# Allegro board controller.brd
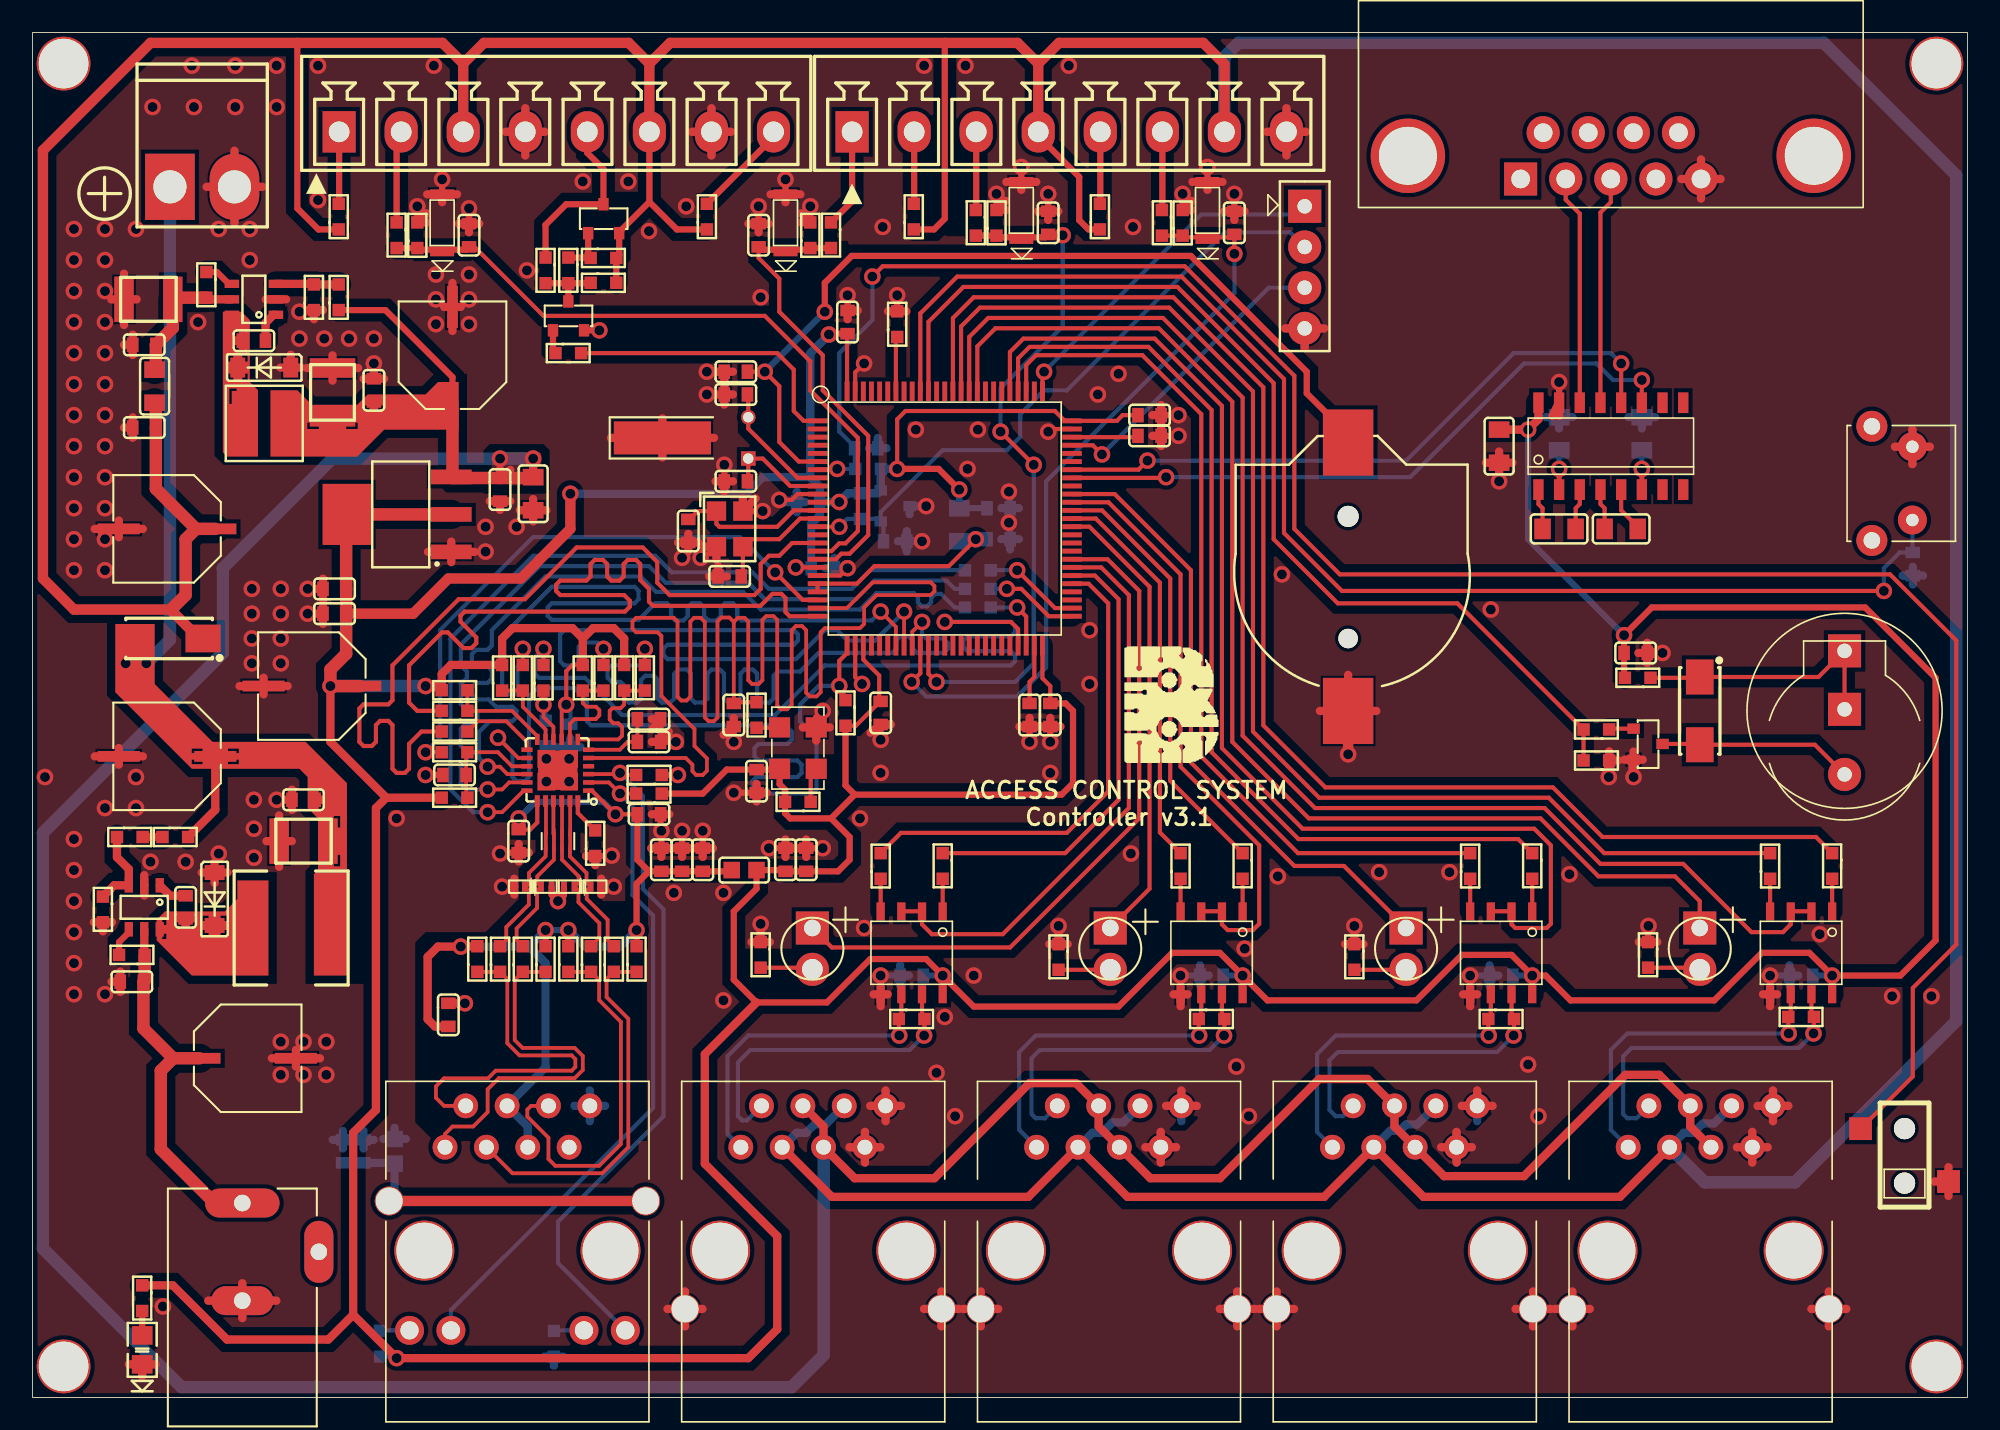
[diagram p0: board, top side]
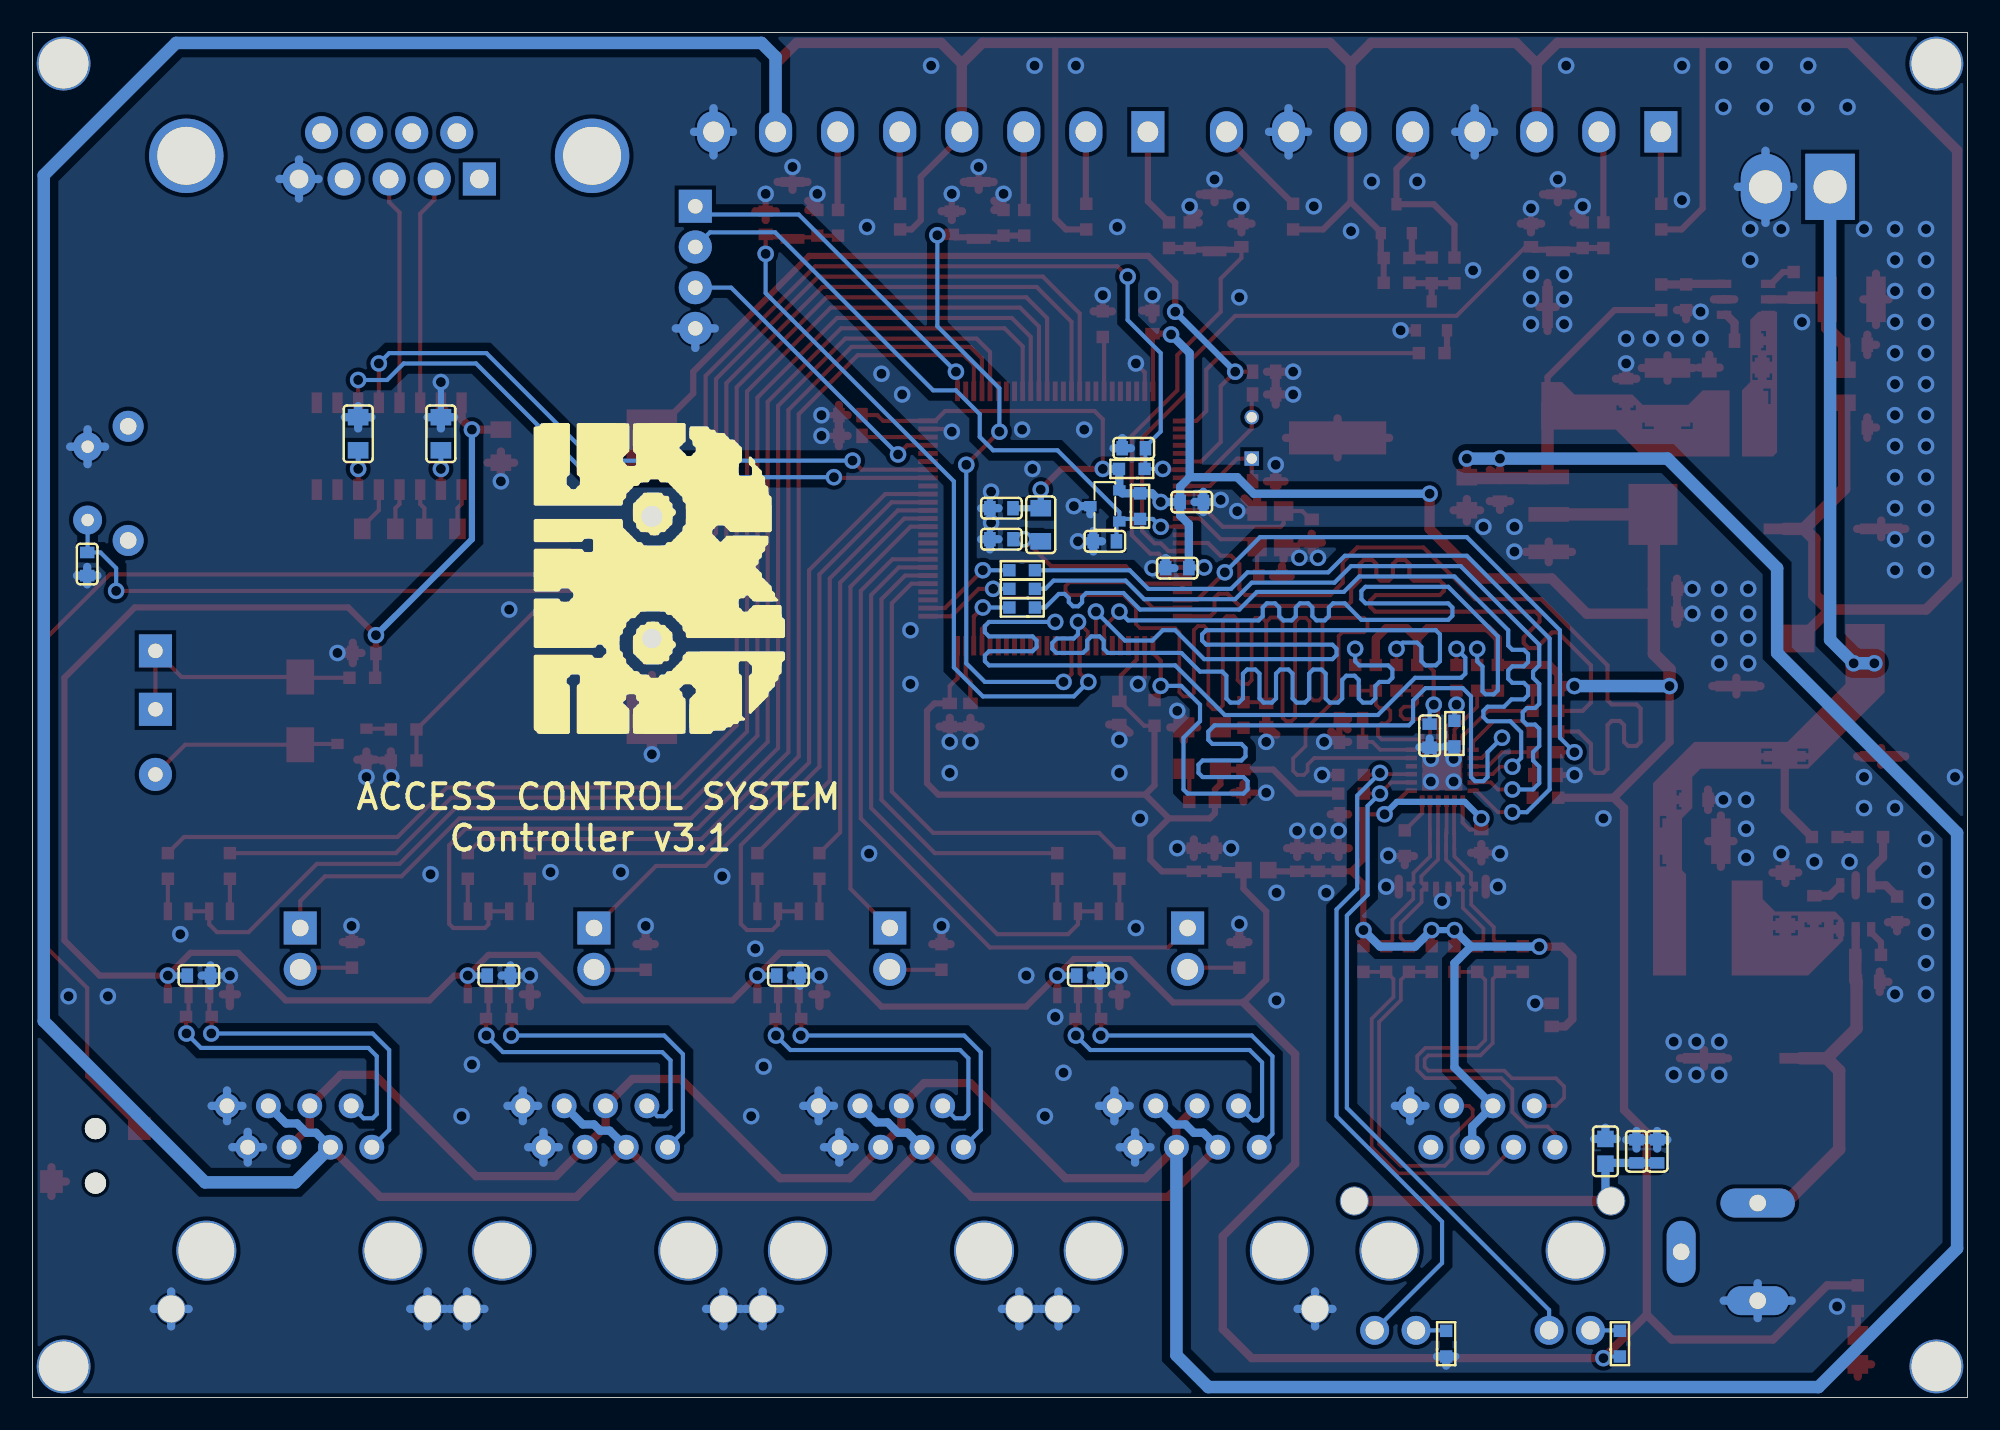
[diagram p1: board, bottom side, seen from below]

Outline 118.8 x 83.82 mm; copper layers: TOP, BOTTOM. Coordinates in mm from the lower left corner of the outline.
Outline path: 0,83.82 0,0 118.8,0 118.8,83.82 0,83.82

## Design rules (mm)
net group RMII_CLK: nets N1936921 RMII_CLK
net group RMII_CRS_DVALID: nets E_RMII_CRS_DVALID RMII_CRS_DVALID
net group RMII_MD: nets E_RMII_MD RMII_MD
net group RMII_MDCLK: nets E_RMII_MDCLK RMII_MDCLK
net group RMII_RX_ERR: nets E_RMII_RX_ERR RMII_RX_ERR
net group RMII_RXD0: nets ERMII_RXD0 RMII_RXD0
net group RMII_RXD1: nets ERMII_RXD1 RMII_RXD1
net group RMII_TXD0: nets ERMII_TXD0 RMII_TXD0
net group RMII_TXD1: nets ERMII_TXD1 RMII_TXD1
net group RMII_TXEN: nets ERMII_TXEN RMII_TXEN
net group W_RXN: nets W_RXN W_RXN_TRANS
net group W_RXP: nets W_RXP W_RXP_TRANS
net group W_TXN: nets W_TXN W_TXN_TRANS
net group W_TXP: nets W_TXP W_TXP_TRANS

## Placement (name value [footprint] x y rotation side)
BT1  BAT_3V  [BAT_CR1220]  80.77 50.29 0 top
C1  100nF  [C0603]  43.18 62.99 270 top
C2  100nF  [C0603]  47.62 54.99 90 bottom
C3  100nF  [C0603]  48.51 50.93 270 bottom
C4  100nF  [C0603]  52.07 42.04 0 top
C5  100nF  [C0603]  62.48 41.91 0 top
C6  100nF  [C0603]  68.58 60.33 90 top
C7  100nF  [C0603]  50.04 66.04 180 top
C8  100nF  [C0603]  59.31 54.61 270 bottom
C9  100nF  [C0603]  59.31 52.7 270 bottom
C10  2.2uF  [C0603]  68.58 59.05 90 top
C11  2.2uF  [C0603]  61.21 41.91 0 top
C12  100nF  [C0603]  52.96 52.58 270 bottom
C13  18pF  [C0603]  42.8 50.42 270 top
C14  18pF  [C0603]  40.26 53.21 0 top
C15  15pF  [C0603]  43.18 56.26 270 top
C16  15pF  [C0603]  43.18 61.59 270 top
C17  100pF  [C0603]  37.85 41.66 90 top
C18  1uF/16v  [C0603]  37.85 40.26 90 top
C19  10nF  [C0603]  37.85 35.81 270 top
C20  100nF  [C0603]  38.61 33.02 180 top
C21  100nF  [C0603]  39.88 33.02 180 top
C22  100nF  [C0603]  46.23 33.02 0 top
C23  4.7uF  [C0603]  47.5 33.02 0 top
C24  4.7uF  [C0603]  41.15 33.02 180 top
C25  22nF  [C0603]  25.53 23.5 180 top
C29  100nF  [C0603]  25.91 38.23 90 top
C30  100nF  [C0603]  20.95 61.85 180 top
C31  100nF  [C0603]  6.86 59.56 270 top
C32  100nF  [C0603]  6.86 64.64 270 top
C33  100uF/35V  [CAP_AL_D]  8.26 53.34 180 top
C34  100nF/25V  [C0805]  93.73 59.18 90 bottom
C35  100nF/25V  [C0805]  98.81 59.18 90 bottom
C37  10nF  [C0603]  13.59 64.9 270 top
C38  22u/6.3V  [CAP_1210]  18.41 61.72 90 top
C40  220u/16V  [CAP_AL_D]  25.78 64.01 90 top
C41  10uF  [C0805]  30.73 55.5 270 top
C43  1uF  [C0603]  18.54 49.66 270 top
C52  100nF  [C0603]  44.45 37.85 0 top
C53  10nF  [C0603]  33.02 40.64 0 bottom
C54  100nF  [C0603]  18.54 48.13 90 top
C55  220uF/10v  [CAP_AL_D]  17.14 43.69 180 top
C85  100nF  [C0603]  20.32 15.11 0 bottom
C86  100nF  [C0603]  19.05 15.11 0 bottom
C129  100nF  [C0603]  51.18 58.29 270 bottom
C130  10nF  [C0603]  115.44 51.18 180 bottom
C131  10nF  [C0603]  29.84 34.16 180 top
C132  100nF  [C0603]  28.7 55.75 180 top
C133  100pF  [C0603]  43.05 41.91 0 top
C139  100nF  [C0603]  26.8 71.37 180 top
C140  100nF  [C0603]  53.98 25.91 90 bottom
C142  10u/35V  [CAP_1210]  7.11 67.44 180 top
C144  100nF  [C0603]  98.42 45.72 90 top
C145  100nF  [C0603]  72.39 25.91 90 bottom
C146  100nF  [C0603]  90.17 25.91 90 bottom
C147  100nF  [C0603]  108.58 25.91 90 bottom
C148  100nF/25V  [C0805]  93.73 53.34 180 top
C149  100nF/25V  [C0805]  97.54 53.34 0 top
C150  100nF/25V  [C0805]  90.04 58.42 270 top
C151  100nF  [C0603]  44.58 71.37 180 top
C152  100nF  [C0603]  62.36 72.14 180 top
C153  100nF  [C0603]  73.79 72.14 180 top
C154  100nF/25V  [C0603]  6.1 25.53 270 top
C155  10uF/25V  [CAP_AL_D]  13.21 20.83 0 top
C156  10nF/25V  [C0603]  9.4 30.1 0 top
C157  100nF/25V  [C0603]  16.64 36.7 270 top
C158  100uF/25V  [CAP_AL_D]  8.26 39.37 180 top
C159  22u/6.3V  [CAP_1210]  16.64 34.16 180 top
D3  1N5819  [SOD123]  14.22 63.25 0 top
D4  SS34  [DO214AC_SMA]  102.36 42.16 270 top
D7  1N4007  [DO214AC_SMA]  8.38 46.61 180 top
D8  1N5819  [SOD123]  11.18 30.61 90 top
D11  3V3  [SOD80]  25.15 72.14 90 top
D18  LED  [LED0805]  6.73 2.92 270 top
D41  1SS413CT  [SOD882]  34.98 31.37 0 top
D42  1SS413CT  [SOD882]  32.56 31.37 180 top
D43  1SS413CT  [SOD882]  31.93 31.37 0 top
D44  1SS413CT  [SOD882]  29.51 31.37 180 top
D45  3V3  [SOD80]  46.23 72.14 90 top
D46  3V3  [SOD80]  60.71 72.9 90 top
D47  3V3  [SOD80]  72.14 72.9 90 top
D48  LED  [LED_3MM]  47.88 27.56 270 top
D49  LED  [LED_3MM]  66.17 27.56 270 top
D50  LED  [LED_3MM]  84.33 27.56 270 top
D51  LED  [LED_3MM]  102.36 27.56 270 top
DCIN1  PJ-002A  [CONN_JACK_DC]  12.88 11.94 270 top
ED26  uClamp3312T  [8-XFDFN]  32.26 34.16 0 top
J1  RJ45  [HR911105A]  29.77 16.64 270 top
J5  HEADER 2  [HEADER2-PITCH3P96-B2P_VH]  10.41 74.35 0 top
J7  JTAG  [HEADER-4]  78.11 73.15 270 top
J9  HEADER 8  [HEADER8PITCH3P81MM]  18.82 77.72 0 top
J11  RJ45  [HR911105B]  47.93 16.64 270 top
J12  RJ45  [HR911105B]  66.09 16.64 270 top
J13  RJ45  [HR911105B]  84.25 16.64 270 top
J14  RJ45  [HR911105B]  102.41 16.64 270 top
J15  DB9PORT  [DB9_FE]  96.9 76.25 0 top
J16  HEADER 8  [HEADER8PITCH3P81MM]  50.32 77.72 0 top
L1  BLM18PG181SN1  [L0603]  43.69 32.38 180 top
L2  8.8uH/1.7A  [IND_6X6MM]  15.88 28.83 0 top
L9  Choke wide  [C0805]  7.49 62.1 90 top
L10  8.8uH/1.7A  [IN4D_5X5]  14.22 59.82 270 top
L11  Choke wide  [C0805]  56.9 53.59 270 bottom
L16  BLM18PG181SN1  [L0603]  22.23 15.11 270 bottom
LS1  SPEAKER  [BUZZER_DIP3]  111.25 40.26 0 top
NOREF  -  [unnamed]  116.89 81.92 0 top
NOREF#2  -  [unnamed]  1.91 1.91 0 top
NOREF#3  -  [unnamed]  1.91 81.92 0 top
NOREF#4  -  [#2]  66.04 38.73 0 top
NOREF#5  -  [unnamed]  116.89 1.91 0 top
NOREF#6  -  [#2]  90.68 40.13 180 bottom
Q1  C1815  [SOT-23-3]  99.19 40.13 0 top
Q6  C1815  [SOT-23-3]  32.89 66.42 90 top
Q7  NC/SI2301  [SOT-23-3]  35.05 72.39 90 top
R1  4.7k  [R0603]  53.09 65.91 270 top
R2  4.7k  [R0603]  50.8 54.74 270 bottom
R7  10k  [R0603]  6.1 27.18 0 top
R8  320k  [R0603]  5.97 34.42 180 top
R9  49.9R  [R0603]  27.3 26.92 270 top
R10  49.9R  [R0603]  31.5 26.92 270 top
R11  49.9R  [R0603]  32.89 26.92 270 top
R12  49.9R  [R0603]  37.08 26.92 270 top
R13  4.7k  [R0603]  46.99 36.58 0 top
R16  4.7K  [R0603]  33.78 44.2 270 top
R17  4.7K  [R0603]  36.32 44.2 270 top
R21  4.7K  [R0603]  31.5 40.77 90 bottom
R22  2K  [R0603]  25.91 43.43 0 top
R23  NC  [R0603]  28.83 44.2 270 top
R24  4.7K  [R0603]  25.91 36.83 0 top
R25  12.1K%1  [R0603]  34.54 34.04 270 top
R26  0R  [R0603]  25.91 39.62 0 top
R29  49.9K  [R0603]  18.8 67.56 270 top
R30  10K  [R0603]  17.27 67.56 270 top
R33  27  [R0603]  98.55 44.2 0 top
R34  330  [R0603]  96.01 41.02 0 top
R42  5k  [R0603]  8.76 34.42 180 top
R67  680  [R0603]  22.35 71.37 90 top
R72  27  [R0603]  52.07 32.64 270 top
R73  27  [R0603]  55.88 32.64 90 top
R74  10k  [R0603]  51.31 57.02 180 bottom
R77  330  [R0603]  32.89 64.14 180 top
R78  NC  [R0603]  32.89 69.22 90 top
R79  10k  [R0603]  35.05 68.45 180 top
R92  NC  [R0603]  35.05 69.98 180 top
R94  680  [R0603]  18.8 72.52 270 top
R96  330  [R0603]  6.73 6.1 90 top
R104  4.7K  [R0603]  49.91 42.04 90 top
R106  NC/10K  [R0603]  37.85 38.23 0 top
R108  NC/10K  [R0603]  37.85 37.08 0 top
R167  680R  [R0603]  32 3.3 270 bottom
R179  680R  [R0603]  21.34 3.3 270 bottom
R328  22R  [R0603]  34.29 26.92 270 top
R329  22R  [R0603]  35.69 26.92 270 top
R330  22R  [R0603]  28.7 26.92 270 top
R331  22R  [R0603]  30.1 26.92 270 top
R332  22R  [R0603]  44.45 41.91 270 top
R333  22R  [R0603]  58.04 49.66 180 bottom
R334  22R  [R0603]  58.04 50.8 180 bottom
R335  22R  [R0603]  58.04 48.51 180 bottom
R336  22R  [R0603]  35.05 44.2 270 top
R337  22R  [R0603]  37.59 44.2 270 top
R338  22R  [R0603]  25.91 40.89 0 top
R339  22R  [R0603]  25.91 42.16 0 top
R340  22R  [R0603]  30.1 44.2 270 top
R341  120  [R0603]  53.98 23.24 180 top
R342  220  [R0603]  23.62 71.37 270 top
R347  10k  [R0603]  96.01 39.12 0 top
R348  22R  [R0603]  31.37 44.2 270 top
R349  330  [R0603]  44.7 27.18 90 top
R350  330  [R0603]  62.99 27.05 90 top
R351  330  [R0603]  81.15 27.05 90 top
R352  330  [R0603]  99.19 27.18 90 top
R353  120  [R0603]  72.39 23.24 180 top
R354  27  [R0603]  70.48 32.64 270 top
R355  27  [R0603]  74.3 32.64 90 top
R356  120  [R0603]  90.17 23.24 180 top
R357  27  [R0603]  88.27 32.64 270 top
R358  27  [R0603]  92.08 32.64 90 top
R359  120  [R0603]  108.58 23.37 180 top
R360  27  [R0603]  106.68 32.64 270 top
R361  27  [R0603]  110.49 32.64 90 top
R364  220  [R0603]  47.75 71.37 270 top
R365  680  [R0603]  41.4 72.52 270 top
R366  680  [R0603]  49.02 71.37 90 top
R367  220  [R0603]  59.18 72.14 270 top
R368  680  [R0603]  54.1 72.52 270 top
R369  680  [R0603]  57.91 72.14 90 top
R370  220  [R0603]  70.61 72.14 270 top
R371  680  [R0603]  65.53 72.52 270 top
R372  680  [R0603]  69.34 72.14 90 top
R373  0  [R0603]  31.5 69.22 90 top
R374  20k  [R0603]  4.32 29.97 90 top
R386  10K  [R0603]  10.67 68.33 90 top
S1  PTS645SK43SMTR92  [SIDE_SW]  114.17 56.13 270 top
SW1  DETECT SW  [TAMPERSW-ESE11MV1]  114.94 16.51 90 top
U1  Stm32f407_100pin  [LQFP-100]  56.01 53.98 0 top
U2  STM1818  [SOT-23-3]  52.96 54.74 0 bottom
U5  MAX3232  [SOIC16]  96.9 58.42 90 top
U6  LM1117 3.3V  [SOT-223]  22.61 54.23 0 top
U12  AP3211  [SOT23-6]  13.59 67.44 90 top
U20  LAN8720A  [LAN8270A]  32.26 38.61 90 top
U21  SN65HVD1x  [SOIC-8]  53.98 27.3 270 top
U22  SN65HVD1x  [SOIC-8]  72.39 27.3 270 top
U23  SN65HVD1x  [SOIC-8]  90.17 27.3 270 top
U24  SN65HVD1x  [SOIC-8]  108.58 27.3 270 top
U25  AP3211  [SOT23-6]  6.86 30.1 180 top
Y1  12M-18ppm  [CRY3225_M]  42.8 53.34 90 top
Y2  32768Hz  [CRYRTC32768]  42.42 58.93 90 top
Y3  F535L-50  [HCMOS5X32]  46.99 39.88 90 top

## Library data of the parts
BT1 = CON2
C1-C7 C10-C16 C25 C52 C133 = CAP NP_0
C8 C9 C30-C32 C41 C43 C129 C130 C139 C144 C151-C153 = Cap 0603
C17 C18 C22 C23 C29 = CAP NP_4
C19-C21 C24 C37 C53 C54 C131 C132 C140 C145-C147 C156 = CAP NP
C33 C40 C55 C155 C158 = CAP
C34 C35 C148-C150 C154 C157 = CAP_USER
C38 C142 C159 = CAP NP: User Part Number: PartNr
C85 C86 = CAP NP_2
D3 D8 = SS34_2
D4 = DIODE_0
D7 = DIODE
D11 D45-D47 = DIODE ZENER
D18 D48-D51 = LED_0
D41 = SS34_5
D42 = SS34_6
D43 = SS34_7
D44 = SS34_8
DCIN1 = RAPC722_1: Tolerance: X; User Part Number: X
ED26 = SLVU2_0.8/SOT23
J1 = RJ45_3
J5 = HEADER 2
J7 = HEADER 4
J9 J16 = HEADER 8
J11 = RJ45_4
J12 = RJ45_5
J13 = RJ45_6
J14 = RJ45_7
J15 = DB9PORT
L1 L2 L9-L11 L16 = INDUCTOR
LS1 = SPEAKER_4
Q1 Q6 = Q2N1893_0
Q7 = MOSFET N
R1 R2 R8-R13 R42 R374 = RESISTOR_0
R7 R67 R94 R341 R342 R353 R356 R359 R364-R372 = RESISTOR
R16 R17 R21 R23 R24 R26 R104 = RESISTOR_1: room: USB+5V
R22 R25 R106 R108 R167 R179 = 4,7k-0603: tolerance: 5%
R29 R30 R386 = RES-SM0402_0
R33 R34 R72-R74 R77-R79 R92 R96 R347 R349-R352 R354 R355 R357 R358 R360 R361 R373 = Resistor 0603
R328-R331 = RESISTOR_1: signal model: RESISTOR_1_R0603_22R_22R; room: USB+5V
R332-R340 R348 = RESISTOR_0: signal model: RESISTOR_0_R0603_22R_RC0603JR-0_22R
S1 = button_fsm_1
SW1 = SW PUSHBUTTON-SPST-2
U1 = Stm32f407_2
U2 = STM1818
U5 = MAX3232_0: Tolerance: ***; User Part Number: ***
U6 = RT9193-33GB_1
U12 U25 = PMIC_SOT23-6
U20 = LAN8720A_0
U21-U24 = MAX485_1
Y1 = CRYSTAL-4_0
Y2 = CRYSTAL_1
Y3 = OSC4/SM_1

## Footprints (pads in the part's own frame, mm; a bottom-side part is the same pattern mirrored in y, then rotated)
8-XFDFN
  rect 0.201x0.676 smd: 1(-0.749,-0.437) 2(-0.249,-0.437) 3(0.249,-0.437) 4(0.749,-0.437) 5(0.749,0.437) 6(0.249,0.437) 7(-0.249,0.437) 8(-0.749,0.437)
BAT_CR1220
  round 1.295 hole 1.295 unplated: (0,3.815)
  round 1.194 hole 1.194 unplated: (0,-3.686)
  rect 3.099x4.064 smd: 1(0,8.349) 2(0,-8.133)
BUZZER_DIP3
  rect 2.032x2.032 hole 0.889: 1(0,1.999) 3(0,5.588)
  round 2.032 hole 0.889: 2(0,-1.999)
C0603
  rect 0.889x0.711 smd: 1(0,0.711) 2(0,-0.711)
C0805
  rect 1.016x1.27 smd: 1(-1.016,0) 2(1.016,0)
CAP_1210
  rect 1.194x2.794 smd: 1(-1.499,0) 2(1.499,0)
CAP_AL_D
  rect 2.591x0.66 smd: 1(-2.962,0) 2(2.962,0)
CONN_JACK_DC
  oval 1.778x4.572 hole 1.016: 1(0,0)
  oval 1.778x3.81 hole 1.016: 2(5.994,0)
  oval 3.81x1.778 hole 1.016: 3(2.997,4.699)
CRY3225_M
  rect 1.194x1.194 smd: 1(1.092,0.813) 2(-1.092,0.813) 3(-1.092,-0.813) 4(1.092,-0.813)
CRYRTC32768
  rect 0.889x0.889 hole 0.635: 1(-1.27,-1.524)
  round 0.889 hole 0.635: 2(1.27,-1.524)
  rect 2.032x5.969 smd: 3(0,3.747)
DB9_FE
  round 4.572 hole 3.556: (-12.459,0) (12.459,0)
  rect 2.032x2.032 hole 1.143: 1(-5.537,-1.422)
  round 2.032 hole 1.143: 2(-2.769,-1.422) 3(0,-1.422) 4(2.769,-1.422) 5(5.537,-1.422) 6(-4.153,1.422) 7(-1.384,1.422) 8(1.384,1.422) 9(4.153,1.422)
DO214AC_SMA
  rect 2.149x1.697 smd: 1(-2.08,0) 2(2.08,0)
HCMOS5X32
  rect 1.245x1.295 smd: 1(-1.27,-1.125) 2(1.27,-1.125) 3(1.27,1.125) 4(-1.27,1.125)
HEADER2-PITCH3P96-B2P_VH
  rect 3.048x4.064 hole 2.032: 1(-1.981,0)
  oval 3.048x4.064 hole 2.032: 2(1.981,0)
HEADER8PITCH3P81MM
  rect 2.032x2.54 hole 1.27: 1(0,0)
  oval 2.032x2.54 hole 1.27: 2(3.81,0) 3(7.62,0) 4(11.43,0) 5(15.24,0) 6(19.05,0) 7(22.86,0) 8(26.67,0)
HEADER-4
  rect 2.032x2.032 hole 0.889: 1(0,0)
  round 2.032 hole 0.889: 2(2.499,0) 3(4.999,0) 4(7.501,0)
HR911105A
  round 3.683 hole 3.429 unplated: (7.62,5.715) (7.62,-5.715)
  round 1.524 hole 0.914: 1(1.27,-4.445) 2(-1.27,-3.175) 3(1.27,-1.905) 4(-1.27,-0.635) 5(1.27,0.635) 6(-1.27,1.905) 7(1.27,3.175) 8(-1.27,4.445)
  round 1.778 hole 1.118: 9(12.517,-6.624) 10(12.517,-4.084) 11(12.517,4.084) 12(12.517,6.624)
  round 1.778 hole 1.651: 13(4.572,-7.874) 14(4.572,7.874)
HR911105B
  round 3.683 hole 3.429 unplated: (7.62,5.715) (7.62,-5.715)
  round 1.524 hole 0.914: 1(1.27,-4.445) 2(-1.27,-3.175) 3(1.27,-1.905) 4(-1.27,-0.635) 5(1.27,0.635) 6(-1.27,1.905) 7(1.27,3.175) 8(-1.27,4.445)
  round 1.778 hole 1.651: 13(11.201,-7.874) 14(11.201,7.874)
IN4D_5X5
  rect 3.988x1.499 smd: 1(0,-1.245) 2(0,1.245)
IND_6X6MM
  rect 1.6x5.7 smd: 1(-2.349,0) 2(2.349,0)
L0603
  rect 1.016x1.016 smd: 1(-0.762,0) 2(0.762,0)
LAN8270A
  rect 0.279x0.686 smd: 1(-1.346,-1.88) 2(-0.838,-1.88) 3(-0.33,-1.88) 4(0.152,-1.88) 5(0.66,-1.88) 6(1.168,-1.88) 13(1.168,1.905) 14(0.66,1.905) 15(0.152,1.905) 16(-0.33,1.905) 17(-0.838,1.905) 18(-1.346,1.905)
  rect 0.686x0.279 smd: 7(1.803,-1.219) 8(1.803,-0.737) 9(1.803,-0.229) 10(1.803,0.279) 11(1.803,0.762) 12(1.803,1.27)
  custom 0.711x0.305 smd: 19(-1.981,1.27) 20(-1.981,0.762) 21(-1.981,0.279) 22(-1.981,-0.229) 23(-1.981,-0.737) 24(-1.981,-1.219)
  rect 1.092x1.092 smd: 25(0.61,0.711) 26(0.61,-0.686) 27(-0.787,-0.686) 28(-0.787,0.711)
LED0805
  rect 1.143x1.27 smd: 1(-0.889,0) 2(0.889,0)
LED_3MM
  rect 2.032x2.032 hole 1.016: 1(-1.27,0)
  round 2.032 hole 1.27: 2(1.27,0)
LQFP-100
  rect 1.199x0.3 smd: 1(-7.813,5.999) 2(-7.813,5.499) 3(-7.813,4.999) 4(-7.813,4.501) 5(-7.813,4) 6(-7.813,3.5) 7(-7.813,3) 8(-7.813,2.499) 9(-7.813,1.999) 10(-7.813,1.501) 11(-7.813,1.001) 12(-7.813,0.5) 13(-7.813,0) 14(-7.813,-0.5) 15(-7.813,-1.001) 16(-7.813,-1.501) 17(-7.813,-1.999) 18(-7.813,-2.499) 19(-7.813,-3) 20(-7.813,-3.5) 21(-7.813,-4) 22(-7.813,-4.501) 23(-7.813,-4.999) 24(-7.813,-5.499) 25(-7.813,-5.999) 51(7.813,-5.999) 52(7.813,-5.499) 53(7.813,-4.999) 54(7.813,-4.501) 55(7.813,-4) 56(7.813,-3.5) 57(7.813,-3) 58(7.813,-2.499) 59(7.813,-1.999) 60(7.813,-1.501) 61(7.813,-1.001) 62(7.813,-0.5) 63(7.813,0) 64(7.813,0.5) 65(7.813,1.001) 66(7.813,1.501) 67(7.813,1.999) 68(7.813,2.499) 69(7.813,3) 70(7.813,3.5) 71(7.813,4) 72(7.813,4.501) 73(7.813,4.999) 74(7.813,5.499) 75(7.813,5.999)
  rect 0.3x1.199 smd: 26(-5.999,-7.813) 27(-5.499,-7.813) 28(-4.999,-7.813) 29(-4.501,-7.813) 30(-4,-7.813) 31(-3.5,-7.813) 32(-3,-7.813) 33(-2.499,-7.813) 34(-1.999,-7.813) 35(-1.501,-7.813) 36(-1.001,-7.813) 37(-0.5,-7.813) 38(0,-7.813) 39(0.5,-7.813) 40(1.001,-7.813) 41(1.501,-7.813) 42(1.999,-7.813) 43(2.499,-7.813) 44(3,-7.813) 45(3.5,-7.813) 46(4,-7.813) 47(4.501,-7.813) 48(4.999,-7.813) 49(5.499,-7.813) 50(5.999,-7.813) 76(5.999,7.813) 77(5.499,7.813) 78(4.999,7.813) 79(4.501,7.813) 80(4,7.813) 81(3.5,7.813) 82(3,7.813) 83(2.499,7.813) 84(1.999,7.813) 85(1.501,7.813) 86(1.001,7.813) 87(0.5,7.813) 88(0,7.813) 89(-0.5,7.813) 90(-1.001,7.813) 91(-1.501,7.813) 92(-1.999,7.813) 93(-2.499,7.813) 94(-3,7.813) 95(-3.5,7.813) 96(-4,7.813) 97(-4.501,7.813) 98(-4.999,7.813) 99(-5.499,7.813) 100(-5.999,7.813)
R0603
  rect 0.762x0.762 smd: 1(-0.787,0) 2(0.787,0)
SIDE_SW
  round 1.905 hole 1.016: (-3.505,-1.245) (3.505,-1.245)
  round 1.778 hole 0.762: 1(-2.25,1.245) 2(2.25,1.245)
SOD80
  rect 0.61x1.473 smd: 1(-1.75,0) 2(1.75,0)
SOD123
  rect 0.914x1.219 smd: 1(1.626,0) 2(-1.626,0)
SOD882
  rect 0.356x0.61 smd: 1(-0.061,0) 2(-0.711,0)
SOIC16
  rect 1.27x0.635 smd: 1(-2.667,4.445) 2(-2.667,3.175) 3(-2.667,1.905) 4(-2.667,0.635) 5(-2.667,-0.635) 6(-2.667,-1.905) 7(-2.667,-3.175) 8(-2.667,-4.445) 9(2.667,-4.445) 10(2.667,-3.175) 11(2.667,-1.905) 12(2.667,-0.635) 13(2.667,0.635) 14(2.667,1.905) 15(2.667,3.175) 16(2.667,4.445)
SOIC-8
  rect 1.092x0.508 smd: 1(-2.55,1.905) 2(-2.55,0.635) 3(-2.55,-0.635) 4(-2.55,-1.905) 5(2.55,-1.905) 6(2.55,-0.635) 7(2.55,0.635) 8(2.55,1.905)
SOT23-6
  rect 0.508x0.889 smd: 1(-0.95,-1.351) 2(0,-1.351) 3(0.95,-1.351) 4(0.95,1.351) 5(0,1.351) 6(-0.95,1.351)
SOT-23-3
  rect 0.762x0.635 smd: 1(-0.889,0.94) 2(-0.889,-0.965) 3(0.889,0)
SOT-223
  rect 2.499x0.899 smd: 1(3.101,-2.301) 2(3.101,0) 3(3.101,2.301)
  rect 3x3.749 smd: 4(-3.299,0)
TAMPERSW-ESE11MV1
  rect 1.4x1.4 smd: 1(0,2.7) 4(-3.251,-2.7)
  round 1.3 hole 1.3: 2(-3.35,0) 3(0,0)
unnamed
  round 3.302 hole 3.048: (0,0)
